# KiCad board apple-color-monitor-iie-a2m2056.kicad_pcb (continued)
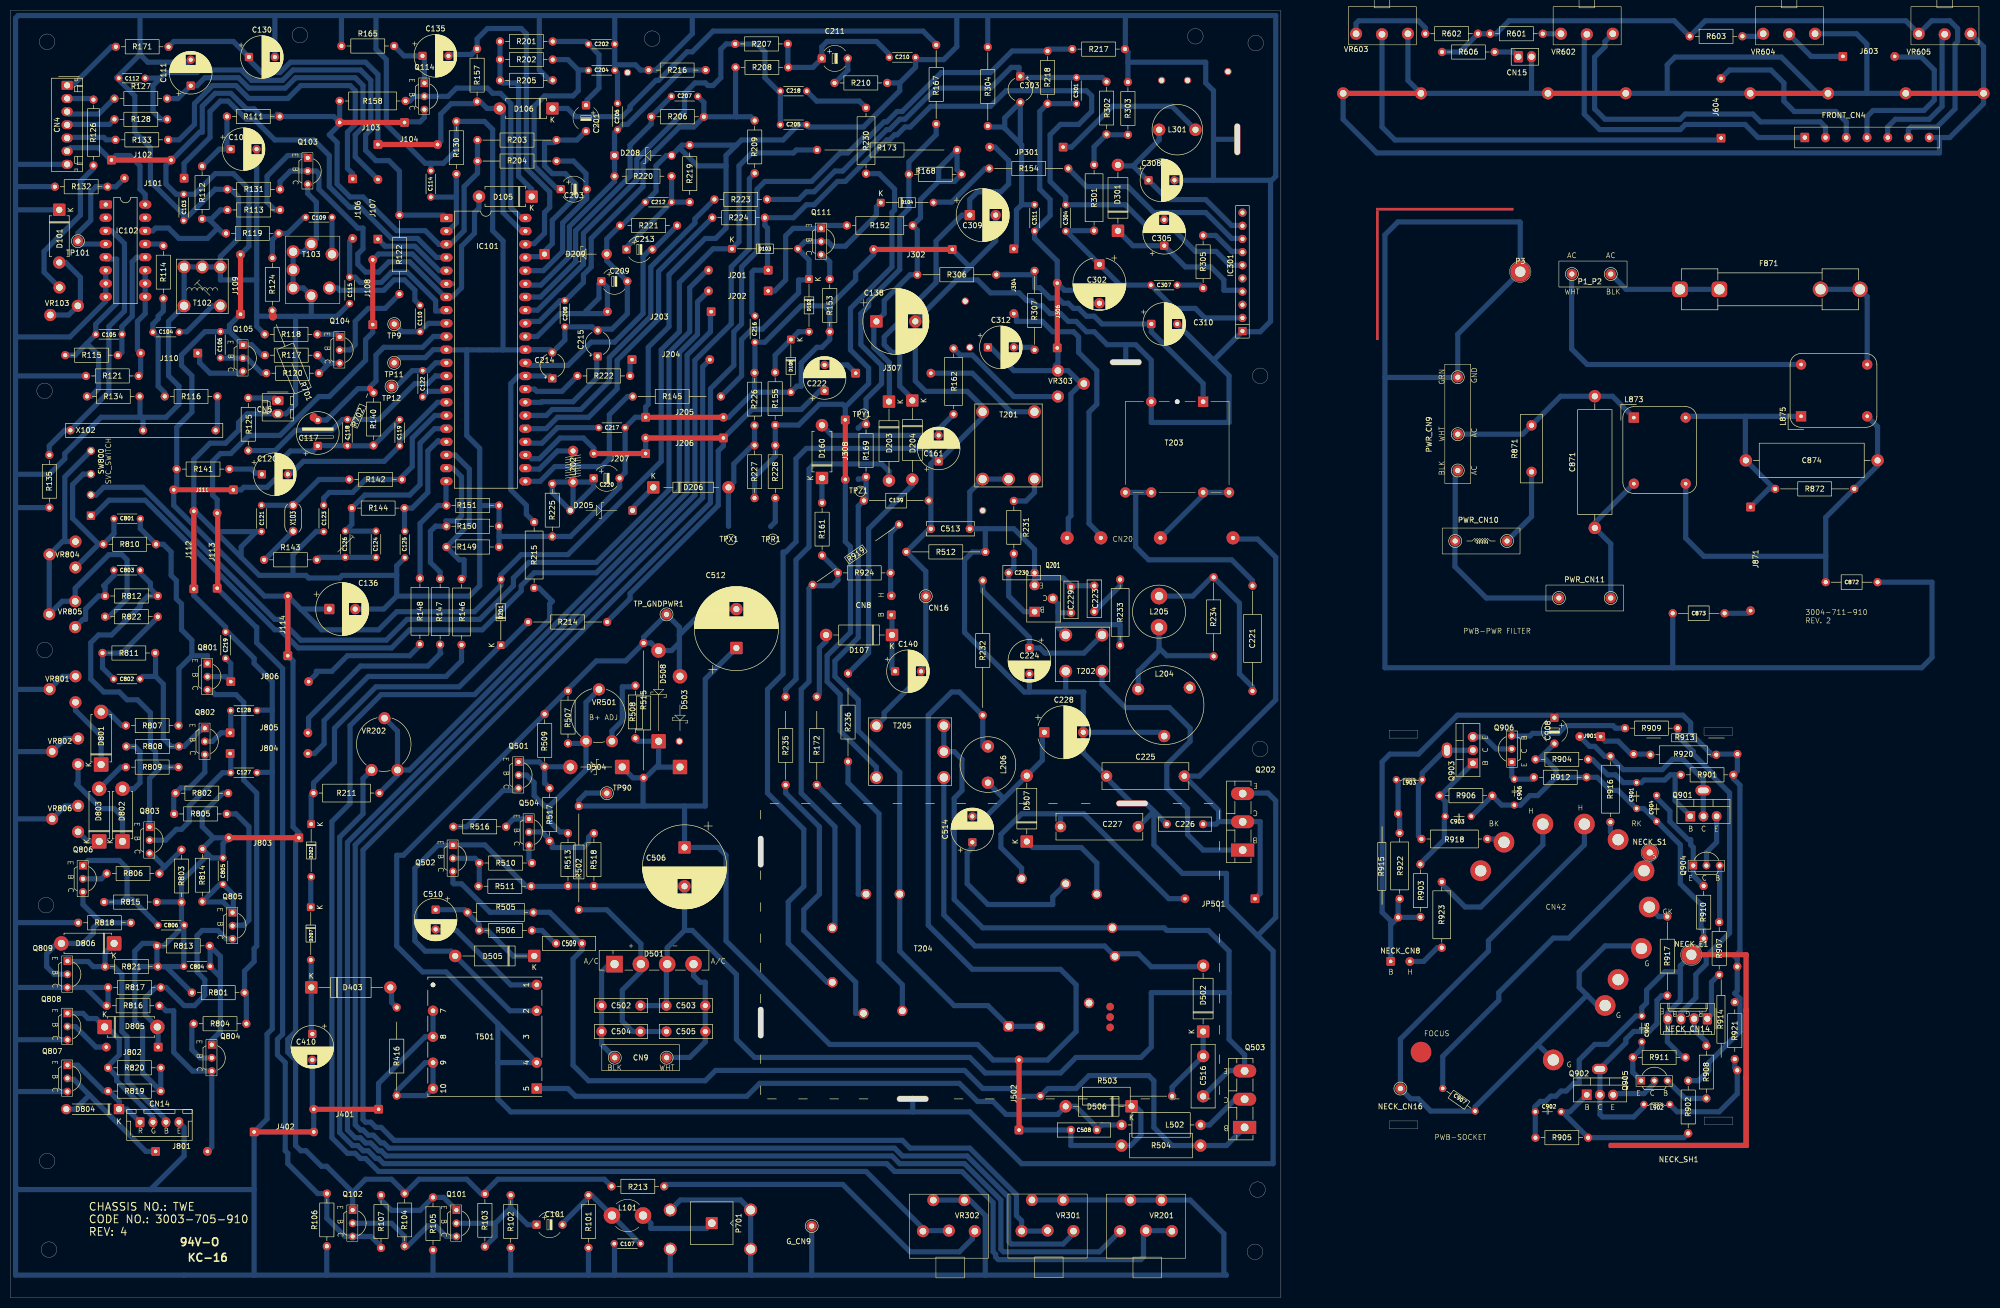
[diagram p0: board, top side]
## Placement (name value [footprint] x y rotation side) (continued)
R153  R  [R_Axial_DIN0207_L6.3mm_D2.5mm_P10.16mm_Horizontal]  158 186.34 90 top
R154  R  [R_Axial_DIN0207_L6.3mm_D2.5mm_P15.24mm_Horizontal]  204 217.84 180 top
R155  R  [R_Axial_DIN0207_L6.3mm_D2.5mm_P10.16mm_Horizontal]  147.48 178.5 270 top
R157  R  [R_Axial_DIN0207_L6.3mm_D2.5mm_P10.16mm_Horizontal]  90 230.76 90 top
R158  R  [R_Axial_DIN0309_L9.0mm_D3.2mm_P12.70mm_Horizontal]  76.2 230.87 180 top
R161  R  [R_Axial_DIN0207_L6.3mm_D2.5mm_P10.16mm_Horizontal]  156.52 153.34 270 top
R162  R  [R_Axial_DIN0309_L9.0mm_D3.2mm_P12.70mm_Horizontal]  181.88 170.42 90 top
R165  R  [R_Axial_DIN0207_L6.3mm_D2.5mm_P10.16mm_Horizontal]  63.84 241.47 0 top
R167  R  [R_Axial_DIN0207_L6.3mm_D2.5mm_P15.24mm_Horizontal]  178.52 226.42 90 top
R168  R  [R_Axial_DIN0207_L6.3mm_D2.5mm_P10.16mm_Horizontal]  183.43 216.72 180 top
R169  R  [R_Axial_DIN0207_L6.3mm_D2.5mm_P10.16mm_Horizontal]  165 168.5 270 top
R171  R  [R_Axial_DIN0207_L6.3mm_D2.5mm_P10.16mm_Horizontal]  30.5 241.32 180 top
R172  1Ω ½W  [_R_Axial_P17.0mm]  155.5 98.92 90 top
R173  22Ω 3W  [_R_Axial_P27.0mm#2]  155.55 221.41 0 top
R201  R  [R_Axial_DIN0207_L6.3mm_D2.5mm_P10.16mm_Horizontal]  104.58 242.34 180 top
R202  R  [R_Axial_DIN0207_L6.3mm_D2.5mm_P10.16mm_Horizontal]  104.58 238.84 180 top
R203  R  [R_Axial_DIN0207_L6.3mm_D2.5mm_P15.24mm_Horizontal]  90.08 223.32 0 top
R204  R  [R_Axial_DIN0207_L6.3mm_D2.5mm_P15.24mm_Horizontal]  90.08 219.27 0 top
R205  R  [R_Axial_DIN0207_L6.3mm_D2.5mm_P10.16mm_Horizontal]  104.58 234.84 180 top
R206  R  [R_Axial_DIN0207_L6.3mm_D2.5mm_P10.16mm_Horizontal]  123.58 227.82 0 top
R207  R  [R_Axial_DIN0207_L6.3mm_D2.5mm_P10.16mm_Horizontal]  149.93 241.87 180 top
R208  R  [R_Axial_DIN0207_L6.3mm_D2.5mm_P10.16mm_Horizontal]  150 237.34 180 top
R209  R  [R_Axial_DIN0207_L6.3mm_D2.5mm_P10.16mm_Horizontal]  143.52 216.92 90 top
R210  R  [R_Axial_DIN0207_L6.3mm_D2.5mm_P10.16mm_Horizontal]  158.92 234.34 0 top
R211  R  [R_Axial_DIN0309_L9.0mm_D3.2mm_P12.70mm_Horizontal]  71.16 97.34 180 top
R213  R  [R_Axial_DIN0207_L6.3mm_D2.5mm_P10.16mm_Horizontal]  115.92 21.47 0 top
R214  R  [R_Axial_DIN0207_L6.3mm_D2.5mm_P15.24mm_Horizontal]  115.08 130.34 180 top
R215  R  [R_Axial_DIN0309_L9.0mm_D3.2mm_P12.70mm_Horizontal]  101 136.92 90 top
R216  R  [R_Axial_P11.0mm]  123.08 236.82 0 top
R217  R  [R_Axial_DIN0207_L6.3mm_D2.5mm_P10.16mm_Horizontal]  214.93 240.87 180 top
R218  R  [R_Axial_DIN0207_L6.3mm_D2.5mm_P10.16mm_Horizontal]  200 240.5 270 top
R219  R  [R_Axial_P11.0mm]  131 222.34 270 top
R220  R  [R_Axial_P11.0mm]  116.5 216.34 0 top
R221  R  [R_Axial_P11.0mm]  117.58 206.82 0 top
R222  R  [R_Axial_DIN0207_L6.3mm_D2.5mm_P10.16mm_Horizontal]  119.5 177.82 180 top
R223  R  [R_Axial_DIN0207_L6.3mm_D2.5mm_P10.16mm_Horizontal]  145.93 211.87 180 top
R224  R  [R_Axial_DIN0207_L6.3mm_D2.5mm_P10.16mm_Horizontal]  145.5 208.34 180 top
R225  R  [R_Axial_DIN0207_L6.3mm_D2.5mm_P10.16mm_Horizontal]  104.5 157 270 top
R226  R  [R_Axial_DIN0207_L6.3mm_D2.5mm_P10.16mm_Horizontal]  143.5 168.26 90 top
R227  R  [R_Axial_DIN0207_L6.3mm_D2.5mm_P10.16mm_Horizontal]  143.5 154.26 90 top
R228  10kΩ 5%  [R_Axial_DIN0207_L6.3mm_D2.5mm_P10.16mm_Horizontal]  147.5 164.42 270 top
R230  R  [R_Axial_DIN0309_L9.0mm_D3.2mm_P12.70mm_Horizontal]  165 229.54 270 top
R231  R  [R_Axial_DIN0207_L6.3mm_D2.5mm_P10.16mm_Horizontal]  193.5 153.69 270 top
R232  2.2kΩ 3W  [_R_Axial_P27.0mm]  187.5 138.33 270 top
R233  R  [R_Axial_DIN0309_L9.0mm_D3.2mm_P12.70mm_Horizontal]  214 125.84 90 top
R234  R  [R_Axial_DIN0207_L6.3mm_D2.5mm_P15.24mm_Horizontal]  232.02 123.72 90 top
R235  1Ω ½W  [_R_Axial_P17.0mm]  149.5 98.92 90 top
R236  1Ω ½W  [_R_Axial_P17.0mm]  161.52 103.42 90 top
R301  R  [R_Axial_DIN0309_L9.0mm_D3.2mm_P12.70mm_Horizontal]  208.98 218.54 270 top
R302  R  [R_Axial_DIN0207_L6.3mm_D2.5mm_P10.16mm_Horizontal]  211.38 224.42 90 top
R303  R  [R_Axial_DIN0207_L6.3mm_D2.5mm_P10.16mm_Horizontal]  215.5 234.5 270 top
R304  R  [R_Axial_DIN0207_L6.3mm_D2.5mm_P15.24mm_Horizontal]  188.48 241.27 270 top
R305  R  [R_Axial_DIN0207_L6.3mm_D2.5mm_P10.16mm_Horizontal]  230 204.92 270 top
R306  R  [R_Axial_DIN0207_L6.3mm_D2.5mm_P15.24mm_Horizontal]  190.12 197.34 180 top
R307  R  [R_Axial_DIN0207_L6.3mm_D2.5mm_P15.24mm_Horizontal]  197.5 182.84 90 top
R416  1Ω ½W  [_R_Axial_P17.0mm]  74.5 38.98 90 top
R502  3.3Ω 7W  [_R_Axial_P20.0mm]  109.61 94.83 270 top
R503  1W  [R_Axial_DIN0309_L9.0mm_D3.2mm_P25.40mm_Horizontal]  198.62 38.87 0 top
R504  R  [R_Axial_DIN0414_L11.9mm_D4.5mm_P15.24mm_Horizontal]  229.5 29.34 180 top
R505  R  [R_Axial_DIN0309_L9.0mm_D3.2mm_P12.70mm_Horizontal]  88.15 74.32 0 top
R506  R  [R_Axial_DIN0207_L6.3mm_D2.5mm_P10.16mm_Horizontal]  100.58 70.84 180 top
R507  51kΩ  [R_Axial_DIN0207_L6.3mm_D2.5mm_P10.16mm_Horizontal]  107.53 106.92 90 top
R508  4.7kΩ 1%  [R_Axial_DIN0207_L6.3mm_D2.5mm_P10.16mm_Horizontal]  120.52 107.92 90 top
R509  R  [R_Axial_DIN0207_L6.3mm_D2.5mm_P10.16mm_Horizontal]  103.03 102.42 90 top
R510  R  [R_Axial_DIN0207_L6.3mm_D2.5mm_P10.16mm_Horizontal]  100.58 83.84 180 top
R511  R  [R_Axial_DIN0207_L6.3mm_D2.5mm_P10.16mm_Horizontal]  100.42 79.37 180 top
R512  3.3MΩ 10%  [R_Axial_DIN0207_L6.3mm_D2.5mm_P15.24mm_Horizontal]  188 143.87 180 top
R513  10MΩ  [R_Axial_DIN0207_L6.3mm_D2.5mm_P10.16mm_Horizontal]  107.53 79.42 90 top
R515  8.2kΩ 3W  [_R_Axial_P27.0mm]  122.11 126.29 270 top
R516  R  [R_Axial_DIN0207_L6.3mm_D2.5mm_P10.16mm_Horizontal]  85.42 90.84 0 top
R517  R  [R_Axial_DIN0207_L6.3mm_D2.5mm_P10.16mm_Horizontal]  103.97 98.27 270 top
R518  R  [R_Axial_DIN0207_L6.3mm_D2.5mm_P10.16mm_Horizontal]  112.52 79.42 90 top
R601  R  [R_Axial_DIN0207_L6.3mm_D2.5mm_P10.16mm_Horizontal]  295.49 243.83 180 top
R602  R  [R_Axial_DIN0207_L6.3mm_D2.5mm_P10.16mm_Horizontal]  282.99 243.83 180 top
R603  R  [R_Axial_DIN0207_L6.3mm_D2.5mm_P10.16mm_Horizontal]  333.99 243.33 180 top
R606  R  [R_Axial_DIN0207_L6.3mm_D2.5mm_P10.16mm_Horizontal]  276.07 240.31 0 top
R701  12kΩ  [R_Axial_DIN0309_L9.0mm_D3.2mm_P20.32mm_Horizontal#3]  58.5 169.84 112 top
R702  1.8kΩ  [R_Axial_DIN0309_L9.0mm_D3.2mm_P20.32mm_Horizontal#2]  69.34 175.36 247 top
R801  R  [R_Axial_DIN0207_L6.3mm_D2.5mm_P10.16mm_Horizontal]  35 58.84 0 top
R802  R  [R_Axial_DIN0207_L6.3mm_D2.5mm_P10.16mm_Horizontal]  42 97.32 180 top
R803  R  [R_Axial_DIN0207_L6.3mm_D2.5mm_P10.16mm_Horizontal]  33 86.42 270 top
R804  R  [R_Axial_DIN0207_L6.3mm_D2.5mm_P10.16mm_Horizontal]  35.34 52.84 0 top
R805  R  [R_Axial_DIN0207_L6.3mm_D2.5mm_P10.16mm_Horizontal]  31.58 93.32 0 top
R806  R  [R_Axial_DIN0207_L6.3mm_D2.5mm_P10.16mm_Horizontal]  18.58 81.82 0 top
R807  R  [R_Axial_DIN0207_L6.3mm_D2.5mm_P10.16mm_Horizontal]  32.42 110.37 180 top
R808  R  [R_Axial_DIN0207_L6.3mm_D2.5mm_P10.16mm_Horizontal]  32.5 106.34 180 top
R809  R  [R_Axial_DIN0207_L6.3mm_D2.5mm_P10.16mm_Horizontal]  32.42 102.34 180 top
R810  R  [R_Axial_DIN0207_L6.3mm_D2.5mm_P10.16mm_Horizontal]  17.92 145.34 0 top
R811  R  [R_Axial_DIN0207_L6.3mm_D2.5mm_P10.16mm_Horizontal]  27.92 124.37 180 top
R812  R  [R_Axial_DIN0207_L6.3mm_D2.5mm_P10.16mm_Horizontal]  28.42 135.37 180 top
R813  R  [R_Axial_DIN0207_L6.3mm_D2.5mm_P10.16mm_Horizontal]  38.42 67.87 180 top
R814  R  [R_Axial_DIN0207_L6.3mm_D2.5mm_P10.16mm_Horizontal]  37.02 76.42 90 top
R815  R  [R_Axial_DIN0207_L6.3mm_D2.5mm_P10.16mm_Horizontal]  18.08 76.32 0 top
R816  R  [R_Axial_DIN0207_L6.3mm_D2.5mm_P10.16mm_Horizontal]  18.58 56.32 0 top
R817  R  [R_Axial_DIN0207_L6.3mm_D2.5mm_P10.16mm_Horizontal]  18.84 59.84 0 top
R818  R  [R_Axial_DIN0207_L6.3mm_D2.5mm_P10.16mm_Horizontal]  13.07 72.32 0 top
R819  R  [R_Axial_DIN0207_L6.3mm_D2.5mm_P10.16mm_Horizontal]  29 39.84 180 top
R820  R  [R_Axial_DIN0207_L6.3mm_D2.5mm_P10.16mm_Horizontal]  29 44.34 180 top
R821  R  [R_Axial_DIN0207_L6.3mm_D2.5mm_P10.16mm_Horizontal]  28.42 63.87 180 top
R822  R  [R_Axial_DIN0207_L6.3mm_D2.5mm_P10.16mm_Horizontal]  28.42 131.37 180 top
R871  Thermistor_PTC  [R_Box_L13.0mm_W4.0mm_P9.00mm]  293.33 159.3 90 top
R872  330kΩ  [R_Axial_DIN0207_L6.3mm_D2.5mm_P15.24mm_Horizontal]  355.56 156.02 180 top
R901  R  [R_Axial_DIN0207_L6.3mm_D2.5mm_P10.16mm_Horizontal]  322.09 100.86 0 top
R902  R  [R_Axial_DIN0207_L6.3mm_D2.5mm_P10.16mm_Horizontal]  323.54 41.86 270 top
R903  R  [R_Axial_DIN0207_L6.3mm_D2.5mm_P10.16mm_Horizontal]  271.89 73.43 90 top
R904  R  [R_Axial_DIN0207_L6.3mm_D2.5mm_P10.16mm_Horizontal]  294.09 103.83 0 top
R905  R  [R_Axial_DIN0207_L6.3mm_D2.5mm_P10.16mm_Horizontal]  294.09 30.86 0 top
R906  R  [R_Axial_DIN0207_L6.3mm_D2.5mm_P10.16mm_Horizontal]  275.59 96.83 0 top
R907  R  [R_Axial_DIN0207_L6.3mm_D2.5mm_P10.16mm_Horizontal]  329.52 62.28 90 top
R908  R  [R_Axial_DIN0207_L6.3mm_D2.5mm_P10.16mm_Horizontal]  327.04 38.43 90 top
R909  R  [R_Axial_DIN0207_L6.3mm_D2.5mm_P10.16mm_Horizontal]  321.52 109.86 180 top
R910  R  [R_Axial_DIN0207_L6.3mm_D2.5mm_P10.16mm_Horizontal]  326.52 69.28 90 top
R911  R  [R_Axial_DIN0207_L6.3mm_D2.5mm_P10.16mm_Horizontal]  323.02 46.33 180 top
R912  R  [R_Axial_DIN0207_L6.3mm_D2.5mm_P10.16mm_Horizontal]  303.94 100.38 180 top
R913  R  [R_Axial_side_shift_P20.32mm]  333.02 104.86 180 top
R914  R  [R_Axial_side_shift_P20.32mm]  333 63.86 270 top
R915  R  [R_Axial_side_shift_P20.32mm]  267.61 93.36 270 top
R916  R  [R_Axial_DIN0309_L9.0mm_D3.2mm_P12.70mm_Horizontal]  308.54 104.44 270 top
R917  R  [R_Axial_DIN0207_L6.3mm_D2.5mm_P15.24mm_Horizontal]  319.51 73.51 270 top
R918  R  [R_Axial_DIN0309_L9.0mm_D3.2mm_P12.70mm_Horizontal]  272.09 88.48 0 top
R919  1.8Ω 2W  [R_Axial_DIN0309_L9.0mm_D3.2mm_P20.32mm_Horizontal]  154.72 137.51 35 top
R920  R  [R_Axial_DIN0309_L9.0mm_D3.2mm_P12.70mm_Horizontal]  328.94 104.73 180 top
R921  R  [R_Axial_P11.0mm]  332.52 46.01 90 top
R922  R  [R_Axial_DIN0309_L9.0mm_D3.2mm_P12.70mm_Horizontal]  267.89 76.93 90 top
R923  R  [R_Axial_DIN0309_L9.0mm_D3.2mm_P12.70mm_Horizontal]  276.02 67.51 90 top
R924  R  [R_Axial_DIN0207_L6.3mm_D2.5mm_P10.16mm_Horizontal]  159.57 139.82 0 top
REF**  -  [-MountingHole_3mm]  55.82 243.57 0 top
REF**#2  -  [-MountingHole_1mm]  222 234.84 0 top
REF**#3  -  [-MountingHole_3mm]  241 105.84 0 top
REF**#4  -  [-MountingHole_3mm]  7.09 242.28 0 top
REF**#5  -  [-MountingHole_1mm]  185 183.34 0 top
REF**#6  -  [-MountingHole_5.5mm_1.5mm]  268.87 107.96 0 top
REF**#7  -  [-MountingHole_1mm]  129 107.34 0 top
REF**#8  -  [-MountingHole_3mm]  7.09 26.35 0 top
REF**#9  -  [-MountingHole_3mm]  123.76 242.88 0 top
REF**#10  -  [-MountingHole_1mm]  227 234.84 0 top
REF**#11  -  [-MountingHole_5.5mm_1.5mm]  329.59 108.49 0 top
REF**#12  -  [-MountingHole_3mm]  240.14 242.02 0 top
REF**#13  -  [-MountingHole_3mm]  240.5 20.84 0 top
REF**#14  -  [-MountingHole_3mm]  6.6 174.93 0 top
REF**#15  -  [-MountingHole_3mm]  6.62 124.94 0 top
REF**#16  -  [-MountingHole_5.5mm_1.5mm]  268.9 32.59 0 top
REF**#17  -  [-MountingHole_3mm]  228.5 243.34 0 top
REF**#18  -  [-MountingHole_1mm]  184.13 192.24 0 top
REF**#19  -  [-MountingHole_3mm]  241 177.84 0 top
REF**#20  -  [-MountingHole_5.5mm_1.5mm]  329.63 33.34 0 top
REF**#21  -  [-MountingHole_1mm]  119 236.34 0 top
REF**#22  -  [-MountingHole_3mm]  240 8.84 0 top
REF**#23  -  [-MountingHole_3mm]  7.44 9.26 0 top
REF**#24  -  [-MountingHole_3mm]  6.86 75.71 0 top
REF**#25  -  [-MountingHole_1mm]  187.5 151.84 0 top
REF**#26  -  [-MountingHole_1mm]  234.79 236.53 0 top
SH1  RFShield_OnePiece  [Laird_Technologies_BMI-S-103_26.21x26.21mm#3]  144.19 37.84 0 top
SH2  RFShield_OnePiece  [Laird_Technologies_BMI-S-103_26.21x26.21mm#2]  276.84 197.24 0 top
SW800  SVC_SW  [_SVC_SWITCH_1P3T]  15.52 150.87 90 top
T102  Transformer_1P_1S  [_Transformer_Isolation_10x12mm#2]  33.5 191.34 0 top
T103  Transformer_1P_1S  [_Transformer_Isolation_10x12mm#3]  54.53 194.78 0 top
T201  Transformer_1P_1S  [_Transformer_Isolation_10x12mm]  197.48 170.9 180 top
T202  Transformer_1P_1S  [_Transformer_Isolation_7x7mm]  210.5 127.84 180 top
T203  Transformer_SP_2S  [Transformer_Breve_TEZ-22x24]  236 173.84 180 top
T204  Fkyback  [_my_flyback]  190 50.84 0 top
T205  Transformer_1P_1S  [_Transformer_Isolation_10x12mm]  167 110.34 270 top
T501  Transformer_4_5_Unknwon  [Transformer_Breve_TEZ-28x33]  101.5 40.34 90 top
TP9  Conn_01x01_Pin  [Pin_D1.0mm_L10.0mm]  74.03 187.82 0 top
TP11  Conn_01x01_Pin  [Pin_D1.0mm_L10.0mm]  74 180.34 0 top
TP12  Conn_01x01_Pin  [Pin_D1.0mm_L10.0mm]  73.5 175.77 0 top
TP90  Conn_01x01_Pin  [Pin_D1.0mm_L10.0mm]  115.02 97.32 0 top
TP101  Conn_01x01_Pin  [Pin_D1.0mm_L10.0mm]  13.02 203.82 0 top
TP_GNDPWR1  Conn_01x01_Pin  [Pin_D1.0mm_L10.0mm#3]  126.52 131.82 0 top
TPR1  -  [-testpoint]  146.63 148.78 0 top
TPX1  -  [-testpoint]  138.5 148.84 0 top
TPY1  -  [-testpoint]  163.5 167.84 180 top
TPZ1  -  [-testpoint]  163.5 157.84 0 top
VR103  SUB-BRIGHTNESS  [_Potentiometer_5x5mm]  9.46 194.88 225 top
VR201  H.HOLD  [_Pot_rear]  223.98 12.82 270 top
VR202  SUB H.HOLD  [Potentiometer_Piher_PT-10-V10_Vertical]  74.65 101.79 90 top
VR301  V.SIZE  [_Pot_rear]  205 12.84 270 top
VR302  V.HOLD  [_Pot_rear]  185.98 12.82 270 top
VR303  V.CENTER  [_Potentiometer_5x5mm]  202 173.84 0 top
VR501  B+ ADJ  [Potentiometer_Piher_PT-10-V10_Vertical]  116 107.34 90 top
VR602  BRIGHTNESS  [_Pot_front]  298.99 243.83 90 top
VR603  CONTRAST  [_Pot_front]  259.49 243.83 90 top
VR604  COLOR  [_Pot_front]  337.99 243.83 90 top
VR605  TINT  [_Pot_front]  367.99 243.83 90 top
VR801  R-BIAS  [_Potentiometer_5x5mm]  12.55 119.87 180 top
VR802  G-BIAS  [_Potentiometer_5x5mm]  13.05 107.87 180 top
VR804  R-DRIVER  [_Potentiometer_5x5mm]  12.55 145.87 180 top
VR805  B-DRIVER  [_Potentiometer_5x5mm]  12.5 134.34 180 top
VR806  B-BIAS  [_Potentiometer_5x5mm]  13.05 94.87 180 top
X102  DL401F5  [_DelayLine_3_pin_P14mm]  11.57 167.32 0 top
X103  Crystal  [Resonator-2Pin_W6.0mm_H3.0mm]  54.53 147.87 90 top

## Library data of the parts
C101 C102 C111 C117 C120 C130 C135 C136 C201 C203 C209 C211 C213 C220 C222 C224 C228 C302 C305 C309 C310 C410 C506 C510 C512 C514 C908 = -: KiLib_Generator: capacitor/THT/other; ki_fp_filters: CP_*
C103-C107 C109 C110 C112 C114 C115 C118 C119 C121-C125 C127 C128 C202 C204-C208 C210 C212 C216-C219 C221 C301 C304 C307 C311 C801-C806 C901-C907 = -: Description: Unpolarized capacitor, small symbol; KiLib_Generator: resistor/THT; ki_fp_filters: C_*
C126 = -: Description: Trimmable capacitor, small symbol; KiLib_Generator: resistor/THT; ki_fp_filters: C_*
C138 C140 C161 C308 C312 = -: Description: Polarized capacitor; KiLib_Generator: capacitor/THT/other; ki_fp_filters: CP_*
C139 C872 C873 = -: Description: Unpolarized capacitor; KiLib_Generator: capacitor/THT/other; ki_fp_filters: C_*
C214 C215 C303 = -: Description: Polarized capacitor, small US symbol; KiLib_Generator: capacitor/THT/other; ki_fp_filters: CP_*
C223 C225-C227 C229 C230 C502-C505 C508 C509 C513 C516 = -: Description: Unpolarized capacitor, small symbol; KiLib_Generator: capacitor/THT/other; ki_fp_filters: C_*
C871 C874 = -: Description: Unpolarized capacitor; KiLib_Generator: resistor/THT; ki_fp_filters: C_*
CN4 FRONT_CN4 = -: Description: Generic connector, single row, 01x07, script generated; KiLib_Generator: connector/Molex; ki_fp_filters: Connector*:*_1x??_*
CN5 CN15 = -: Description: Generic connector, single row, 01x02, script generated; KiLib_Generator: connector/Molex; ki_fp_filters: Connector*:*_1x??_*
CN8 NECK_CN8 P1_P2 PWR_CN10 PWR_CN11 = -: Description: Generic connector, single row, 01x02, script generated; KiLib_Generator: connector/wire; ki_fp_filters: Connector*:*_1x??_*
CN9 PWR_CN9 = -: Description: Generic connector, single row, 01x03, script generated; KiLib_Generator: connector/wire; ki_fp_filters: Connector*:*_1x??_*
CN14 = -: Description: Generic connector, single row, 01x04, script generated; KiLib_Generator: connector/JST; ki_fp_filters: Connector*:*_1x??_*
CN16 G_CN9 NECK_CN16 TP9 TP11 TP12 TP90 TP101 TP_GNDPWR1 = -: Description: Generic connector, single row, 01x01, script generated; ki_fp_filters: Connector*:*_1x??_*
CN20 = -: Description: Generic connector, single row, 01x06, script generated; ki_fp_filters: Connector*:*_1x??_*
D101-D108 D160 D201-D204 D206 D207 D301 D403 D502 D505-D507 D801-D806 = -: Description: Diode; KiLib_Generator: diode/THT; Sim.Pins: 1=K 2=A; ki_fp_filters: TO-???* *_Diode_* *SingleDiode* D_*
D205 D208 D209 D504 = -: Description: Zener diode; KiLib_Generator: diode/THT; ki_fp_filters: TO-???* *_Diode_* *SingleDiode* D_*
D501 = -: Description: Bridge Rectifier; ki_fp_filters: D*Bridge*32.0x5.6x17.0mm*P10.0mm*P7.5mm*
D503 D508 = -: Description: Schottky diode; KiLib_Generator: diode/THT; ki_fp_filters: TO-???* *_Diode_* *SingleDiode* D_*
F871 = -: Description: Fuse; ki_fp_filters: *Fuse*
IC101 = -: Datasheet: https://datasheet.datasheetarchive.com/originals/distributors/Datasheets-X/DSA828000259.pdf; KiLib_Generator: package/DIP/legacy
IC102 = -: Datasheet: http://www.ti.com/lit/ds/symlink/cd4052b.pdf; Description: CMOS triple 2-channel analog multiplexer/demultiplexer, TSSOP-16/DIP-16/SOIC-16; KiLib_Generator: package/DIP/legacy; ki_fp_filters: TSSOP*4.4x5mm*P0.65mm* DIP*W7.62* SOIC*3.9x9.9mm*P1.27mm* SO*5.3x10.2mm*P1.27mm*
IC301 = -: Datasheet: https://www.alldatasheet.com/datasheet-pdf/view/37125/SAMSUNG/KA2131.html; KiLib_Generator: resistor/array_SIP_THT
J101-J104 J106-J114 J201-J207 J302 J304 J306-J308 J401 J402 J502 J603 J604 J801-J806 J871 J901 JP301 JP501 = -: Description: Jumper, 2-pole, closed/bridged; KiLib_Generator: connector/wire; ki_fp_filters: Jumper* TestPoint*2Pads* TestPoint*Bridge*
L101 L202 L205 L206 L301 = -: Description: Inductor; KiLib_Generator: choke_THT; ki_fp_filters: Choke_* *Coil* Inductor_* L_*
L204 = -: Description: Variable inductor; KiLib_Generator: potentiometer/THT; ki_fp_filters: Inductor_* L_*
L502 = -: Description: Inductor, small symbol; KiLib_Generator: choke_THT; ki_fp_filters: Choke_* *Coil* Inductor_* L_*
L873 L875 = -: Description: Coupled inductor; KiLib_Generator: inductor/THT; ki_fp_filters: Choke_* *Coil* Inductor_* L_*
L902 L903 = -: Description: Inductor; KiLib_Generator: resistor/THT; ki_fp_filters: Choke_* *Coil* Inductor_* L_*
NECK_CN14 = -: Description: Generic connector, single row, 01x04, script generated; KiLib_Generator: connector/Molex; ki_fp_filters: Connector*:*_1x??_*
NECK_E1 NECK_S1 P3 = -: Description: Generic connector, single row, 01x01, script generated; KiLib_Generator: connector/wire; ki_fp_filters: Connector*:*_1x??_*
NECK_SH1 SH1 SH2 = -: Description: One-piece EMI RF shielding cabinet; KiLib_Generator: shielding
P701 = -: Description: coaxial connector (BNC, SMA, SMB, SMC, Cinch/RCA, LEMO, ...); ki_fp_filters: *BNC* *SMA* *SMB* *SMC* *Cinch* *LEMO* *UMRF* *MCX* *U.FL*
Q101 Q104 Q111 Q114 Q502 Q801-Q803 = -: Datasheet: https://ngspice.sourceforge.io/docs/ngspice-html-manual/manual.xhtml#cha_BJTs; Description: NPN transistor, emitter/base/collector; Sim.Device: NPN; Sim.Type: GUMMELPOON; Sim.Pins: 1=E 2=B 3=C
Q102 Q103 Q105 Q804-Q809 = -: Datasheet: https://www.alldatasheet.com/datasheet-pdf/view/550178/KISEMICONDUCTOR/A733.html; Description: Bipolar transistor symbol for simulation only, substrate tied to the emitter; Sim.Device: PNP; Sim.Type: GUMMELPOON; Sim.Pins: 1=E 2=B 3=C
Q201 Q503 = -: Datasheet: https://ngspice.sourceforge.io/docs/ngspice-html-manual/manual.xhtml#cha_BJTs; Description: NPN transistor, base/collector/emitter; KiLib_Generator: package/TO_SOT/THT; Sim.Device: NPN; Sim.Type: GUMMELPOON; Sim.Pins: 1=B 2=C 3=E
Q202 = -: Description: NPN transistor, base/collector/emitter; KiLib_Generator: package/TO_SOT/THT; Sim.Device: NPN; Sim.Type: GUMMELPOON; Sim.Pins: 1=B 2=C 3=E
Q501 Q504 = -: Datasheet: https://ngspice.sourceforge.io/docs/ngspice-html-manual/manual.xhtml#cha_BJTs; Description: Bipolar transistor symbol for simulation only, substrate tied to the emitter; Sim.Device: PNP; Sim.Type: GUMMELPOON; Sim.Pins: 1=C 2=B 3=E
Q901-Q903 = -: Description: NPN transistor, base/collector/emitter; KiLib_Generator: package/TO_SOT/THT; Sim.Device: NPN; Sim.Pins: 1=B 2=C 3=E
Q904-Q906 = -: Description: NPN transistor, emitter/collector/base; Sim.Device: NPN; Sim.Type: GUMMELPOON; Sim.Pins: 1=E 2=C 3=B
R101-R107 R111-R122 R124-R128 R130-R135 R140-R155 R157 R158 R161 R162 R165 R167-R169 R171-R173 R201-R211 R213-R228 R230-R236 R301-R307 R416 R502-R513 R515-R518 R601-R603 R606 R701 R702 R801-R822 R872 R901-R924 = -: Description: Resistor; KiLib_Generator: resistor/THT; ki_fp_filters: R_*
R871 = -: Description: Temperature dependent resistor, positive temperature coefficient; KiLib_Generator: resistor/THT; ki_fp_filters: R_* RV_*
REF** REF**#2-REF**#26 = -: KiLib_Generator: mounting_hardware/mounting_hole
SW800 = -: Description: Switch, three position, single pole triple throw, 3 position switch, SP3T; KiLib_Generator: diode/THT; ki_fp_filters: SW* SP3T*
T102 T103 T201 T202 T205 = -: Description: Transformer, single primary, single secondary
T203 = -: Description: Transformer, split primary, dual secondary
T204 = -: Description: Flyback; ki_fp_filters: Transformer*Wuerth*760871131*
T501 = -: Description: Transformer, Unknown windings
TPR1 TPX1 TPY1 TPZ1 = -: Description: Testpoint connector; ki_fp_filters: Connector*:*_1x??_*
VR103 VR202 VR303 VR501 VR801 VR802 VR804-VR806 = -: Description: Trim-potentiometer; KiLib_Generator: potentiometer/THT; Sim.Device: R; Sim.Type: POT; Sim.Pins: 1=r0 2=wiper 3=r1; ki_fp_filters: Potentiometer*
VR201 VR301 VR302 VR602-VR605 = -: Description: Potentiometer; KiLib_Generator: potentiometer/THT; Sim.Device: R; Sim.Type: POT; Sim.Pins: 1=r0 2=wiper 3=r1; ki_fp_filters: Potentiometer*
X102 = -: Description: Delay line; KiLib_Generator: resistor/THT
X103 = -: Description: Two pin crystal; KiLib_Generator: crystal_resonator_oscillator; ki_fp_filters: Crystal*

## Footprints (pads in the part's own frame, mm; a bottom-side part is the same pattern mirrored in y, then rotated)
-Connector_01x02XP10.0mm
  round 2 hole 1: 1(0,0) 2(10,0)
-Connector_01x02XP10.0mm#2
  round 2 hole 1: 1(0,0) 2(7.5,0)
-Connector_01x03
  round 2 hole 1: 1(0,0) 2(7,0) 3(18,0)
-connector_front_controls_01x07
  rrect 1.7x1.85 hole 0.85: 1(0,0)
  oval 1.7x1.85 hole 0.85: 2(4,0) 3(8,0) 4(12,0) 5(16,0) 6(20,0) 7(24,0)
-crt-neck
  round 4 smd: 1(0,0)
  round 4 hole 2.2: 2(25.5,-1.5) 3(35.5,9) 4(38,14) 5(42.5,20) 6(44,28) 7(43,35) 8(38,41) 9(31.5,44) 10(23.5,44) 11(16,40.5) 12(11.5,35)
-MountingHole_1mm
  round 1.4 hole 1 unplated: (0,0)
-SolderWire
  round 3.8 hole 2: 1(0,0)
-SolderWire#2
  round 3 hole 1.2: 1(0,0)
-testpoint
  round 1 smd far side: TP(0,0)
-TO-220-3_Vertical-BCE_FIN
  rect 1.905x2 hole 1.1: 1(0,0)
  oval 3x2 hole 2.1x1.1: 2(2.5,5)
  oval 1.905x2 hole 1.1: 2(2.54,0) 3(5.08,0)
-Transistor_EBC-NPN
  rect 1.5x1.5 hole 0.8: 1(0,0)
  round 1.5 hole 0.8: 2(2.54,0) 3(5.08,0)
-Transistor_EBC-PNP
  rect 1.5x1.5 hole 0.8: 1(0,0)
  round 1.5 hole 0.8: 2(2.54,0) 3(5.08,0)
-Transistor_ECB-NPN
  rect 1.5x1.5 hole 0.8: 1(0,0)
  round 1.5 hole 0.8: 2(2.54,0) 3(5.08,0)
_C_Axial_P5.0mm
  round 1.4 hole 0.7: 1(0,0) 2(5,0)
_choke-pwr-board
  rect 2x2 hole 0.7: 1(0,0)
  round 2 hole 0.7: 2(10,0) 3(0,-12.75) 4(10,-12.75)
_CN20_pins
  round 2.54 hole 0.8: 1(0,0) 2(6.5,0) 4(18,0) 6(32,0)
_Conn_01x02
  round 2 hole 1: 1(0,0) 2(10,0)
_D_P14.5mm
  rrect 2.4x2.4 hole 1.2: 1(0,0)
  round 2.4 hole 1.2: 2(14.5,0)
_DelayLine_3_pin_P14mm
  round 1.6 hole 0.8: 1(0,0) 2(28,0) 3(14,0)
_DiodeBridge
  rect 3.2x3.2 hole 1.6: 1(0,0)
  round 3.2 hole 1.6: 2(5.08,0) 3(10.16,0) 4(15.24,0)
_Jumper_4mm
  rrect 1.7x1.7 hole 0.7: 1(0,0)
  round 1.7 hole 0.7: 2(4,0)
_Jumper_10mm
  rrect 1.7x1.7 hole 0.7: 1(0,0)
  round 1.7 hole 0.7: 2(10,0)
_Jumper_11mm
  rrect 1.7x1.7 hole 0.7: 1(0,0)
  round 1.7 hole 0.7: 2(11.5,0)
_Jumper_12mm
  rrect 1.7x1.7 hole 0.7: 1(0,0)
  round 1.7 hole 0.7: 2(12.5,0)
_Jumper_13mm
  rrect 1.7x1.7 hole 0.7: 1(0,0)
  round 1.7 hole 0.7: 2(14.5,0)
_Jumper_13mm#2
  rrect 1.7x1.7 hole 0.7: 1(0,0)
  round 1.7 hole 0.7: 2(11.5,0)
_Jumper_13mm#3
  rrect 1.7x1.7 hole 0.7: 1(0,0)
  round 1.7 hole 0.7: 2(13.5,0)
_Jumper_13mm#4
  rrect 1.7x1.7 hole 0.7: 1(0,0)
  round 1.7 hole 0.7: 2(11,0)
_Jumper_13mm#5
  rrect 1.7x1.7 hole 0.7: 1(0,0)
  round 1.7 hole 0.7: 2(14.15,0)
_Jumper_13mm#6
  rrect 1.7x1.7 hole 0.7: 1(0,0)
  round 1.7 hole 0.7: 2(12.5,0)
_Jumper_13mm#7
  rrect 1.7x1.7 hole 0.7: 1(0,0)
  round 1.7 hole 0.7: 2(15.15,0)
_Jumper_15mm
  rrect 1.7x1.7 hole 0.7: 1(0,0)
  round 1.7 hole 0.7: 2(15,0)
_Jumper_20mm
  rrect 1.7x1.7 hole 0.7: 1(0,0)
  round 1.7 hole 0.7: 2(20,0)
_L_Axial_P5.0mm
  round 1.4 hole 0.7: 1(0,0) 2(5,0)
_L_Horiz_P6mm
  round 2 hole 1: 1(0,0) 2(6,0)
_Molex_1x07_P2.54mm_Vertical
  rrect 1.74x2.19 hole 1.19: 1(15.24,0)
  oval 1.74x2.19 hole 1.19: 2(12.7,0) 3(10.16,0) 4(7.62,0) 5(5.08,0) 6(2.54,0) 7(0,0)
_my_flyback
  round 2 hole 1.32: (18,6) 2(8.5,1.5) 7(23,15) 7.5(22.5,20.5) 8(19.5,27) 9(13.5,29) 10(5,30) 11(-18.5,27) 12(-25,27) 13(-31.5,20.5) 14(-31.5,10) 15(-25.5,4) 16(-18,4.5)
  rrect 2x2 hole 1.32: 1(2.5,1.5)
  round 1.5 smd: 3(22.064,5.29) 5(22.064,3.29) 6(22.064,1.29)
_Pot_front
  round 2.34 hole 1.3: 1(0,0) 2(-0.11,-5) 3(0,-10) 4(-11.5,2.5) 4(-11.5,-12.5)
_Pot_rear
  round 2.34 hole 1.3: 1(0,0) 2(-0.11,-5) 3(0,-10) 4(-6,-2) 5(-6,-8)
_Potentiometer_5x5mm
  round 2.34 hole 1.3: 1(0,0) 2(5,2.5) 3(0,5)
_R_Axial_P17.0mm
  round 1.6 hole 0.8: 1(0,0) 2(17,0)
_R_Axial_P20.0mm
  round 1.6 hole 0.8: 1(0,0) 2(20,0)
_R_Axial_P27.0mm
  round 1.6 hole 0.8: 1(0,0) 2(26,0)
_R_Axial_P27.0mm#2
  round 1.6 hole 0.8: 1(0,0) 2(27,0)
_SchotkyDiode_P17.5mm
  rrect 2.8x2.8 hole 1.4: 1(0,0)
  round 2.8 hole 1.4: 2(17.5,0)
_SVC_SWITCH_1P3T
  rrect 1.6x1.6 hole 1: 1(0,0)
  round 1.6 hole 1: 2(4,0) 3(8,0) 4(12.5,0)
_TO-3P-3_Vertical_BCE
  rect 4.5x2.5 hole 1.5: 1(3.39,2.54)
  oval 4.5x2.5 hole 1.5: 2(3.39,7.99) 3(3.39,13.44)
_Transformer_Isolation_7x7mm
  round 2.5 hole 1.6: 1(0,0) 2(7,0) 3(7,7) 4(0,7)
_Transformer_Isolation_10x12mm
  round 2.5 hole 1.6: 1(0,0) 2(10,0) 3(10,13) 4(5,13) 5(0,13)
_Transformer_Isolation_10x12mm#2
  round 2.5 hole 1.6: 1(0,0) 2(7,0) 3(7,7.5) 4(3.5,7.5) 5(0,7.5)
_Transformer_Isolation_10x12mm#3
  round 2.5 hole 1.6: 1(7.5,6.5) 2(7,0) 3(3.5,-1.5) 4(0,0) 5(0,3.5) 6(0,7) 7(3.5,8.5)
_ZenerDiode_P10mm
  rrect 1.6x1.6 hole 1: 1(0,0)
  round 1.6 hole 1: 2(11,0)
_ZenerDiode_P10mm#2
  rrect 2x2 hole 1: 1(0,0)
  round 2 hole 1: 2(12,0)
_ZenerDiode_P10mm#4
  rrect 1.6x1.6 hole 1: 1(0,0)
  round 1.6 hole 1: 2(12,0)
_ZenerDiode_P10mm#3
  rrect 2.8x2.8 hole 1.4: 1(0,0)
  round 2.8 hole 1.4: 2(10,0)
C_Axial_L3.8mm_D2.6mm_P10.00mm_Horizontal
  round 1.6 hole 0.8: 1(0,0) 2(10,0)
C_Axial_L3.8mm_D2.6mm_P12.50mm_Horizontal
  round 1.6 hole 0.8: 1(0,0) 2(12.5,0)
C_Disc_D10.0mm_W2.5mm_P5.00mm
  round 1.6 hole 0.8: 1(-0.5,0) 2(6.5,0)
C_Disc_D10.0mm_W2.5mm_P5.00mm#2
  round 1.6 hole 0.8: 1(0,0) 2(5,0)
C_Disc_D12.0mm_W4.4mm_P7.75mm
  round 2.4 hole 1.2: 1(0,0) 2(7.75,0)
C_Rect_L7.0mm_W2.5mm_P5.00mm
  round 1.6 hole 0.8: 1(0,0) 2(5,0)
C_Rect_L9.0mm_W2.5mm_P7.50mm_MKT
  round 1.6 hole 0.8: 1(0,0) 2(7.5,0)
C_Rect_L10.0mm_W2.5mm_P7.50mm_MKS4
  round 2 hole 1: 1(0,0) 2(7.5,0)
C_Rect_L16.5mm_W4.9mm_P15.00mm_MKT
  round 2.2 hole 1.1: 1(0,0) 2(15,0)
CP_Radial_D5.0mm_P5.00mm
  rrect 1.6x1.6 hole 0.8: 1(0,0)
  round 1.6 hole 0.8: 2(5,0)
CP_Radial_D8.0mm_P3.80mm
  rrect 1.6x1.6 hole 0.8: 1(0,0)
  round 1.6 hole 0.8: 2(3.8,0)
CP_Radial_D8.0mm_P5.00mm
  rrect 1.6x1.6 hole 0.8: 1(0,0)
  round 1.6 hole 0.8: 2(5,0)
CP_Radial_D10.0mm_P5.00mm
  rrect 2x2 hole 1: 1(0,0)
  round 2 hole 1: 2(5,0)
CP_Radial_D10.0mm_P7.50mm
  rrect 2x2 hole 1: 1(0,0)
  round 2 hole 1: 2(7.5,0)
CP_Radial_D12.5mm_P7.50mm
  rrect 2.4x2.4 hole 1.2: 1(0,0)
  round 2.4 hole 1.2: 2(7.5,0)
CP_Radial_D16.0mm_P7.50mm
  rrect 2.4x2.4 hole 1.2: 1(0,0)
  round 2.4 hole 1.2: 2(7.5,0)
CP_Radial_Tantal_D4.5mm_P5.00mm
  rrect 1.6x1.6 hole 0.8: 1(0,0)
  round 1.6 hole 0.8: 2(5,0)
D_5W_P10.16mm_Horizontal
  rrect 2x2 hole 1.2: 1(0,0)
  round 2 hole 1.2: 2(10.16,0)
D_5W_P10.16mm_Horizontal#2
  rrect 2.8x2.8 hole 1.4: 1(0,0)
  round 2.8 hole 1.4: 2(10.16,0)
D_DO-15_P10.16mm_Horizontal
  rrect 2.4x2.4 hole 1.2: 1(0,0)
  round 2.4 hole 1.2: 2(10.16,0)
D_DO-15_P12.70mm_Horizontal
  rrect 2.4x2.4 hole 1.2: 1(0,0)
  round 2.4 hole 1.2: 2(12.7,0)
D_DO-15_P15.24mm_Horizontal
  rrect 2.4x2.4 hole 1.2: 1(0,0)
  round 2.4 hole 1.2: 2(15.24,0)
D_DO-34_SOD68_P10.16mm_Horizontal
  rrect 1.5x1.5 hole 0.75: 1(0,0)
  round 1.5 hole 0.75: 2(10.16,0)
D_DO-34_SOD68_P12.70mm_Horizontal
  rrect 1.5x1.5 hole 0.75: 1(0,0)
  round 1.5 hole 0.75: 2(12.7,0)
DIP-16_W7.62mm_LongPads
  rrect 2.4x1.6 hole 0.8: 1(0,0)
  oval 2.4x1.6 hole 0.8: 2(0,-2.54) 3(0,-5.08) 4(0,-7.62) 5(0,-10.16) 6(0,-12.7) 7(0,-15.24) 8(0,-17.78) 9(7.62,-17.78) 10(7.62,-15.24) 11(7.62,-12.7) 12(7.62,-10.16) 13(7.62,-7.62) 14(7.62,-5.08) 15(7.62,-2.54) 16(7.62,0)
DIP-42_W15.24mm_LongPads
  rrect 2.4x1.6 hole 0.8: 1(0,0)
  oval 2.4x1.6 hole 0.8: 2(0,-2.54) 3(0,-5.08) 4(0,-7.62) 5(0,-10.16) 6(0,-12.7) 7(0,-15.24) 8(0,-17.78) 9(0,-20.32) 10(0,-22.86) 11(0,-25.4) 12(0,-27.94) 13(0,-30.48) 14(0,-33.02) 15(0,-35.56) 16(0,-38.1) 17(0,-40.64) 18(0,-43.18) 19(0,-45.72) 20(0,-48.26) 21(0,-50.8) 22(15.24,-50.8) 23(15.24,-48.26) 24(15.24,-45.72) 25(15.24,-43.18) 26(15.24,-40.64) 27(15.24,-38.1) 28(15.24,-35.56) 29(15.24,-33.02) 30(15.24,-30.48) 31(15.24,-27.94) 32(15.24,-25.4) 33(15.24,-22.86) 34(15.24,-20.32) 35(15.24,-17.78) 36(15.24,-15.24) 37(15.24,-12.7) 38(15.24,-10.16) 39(15.24,-7.62) 40(15.24,-5.08) 41(15.24,-2.54) 42(15.24,0)
Fuseholder_Clip-6.3x32mm_Littelfuse_102071_Inline_P34.70x7.60mm_D2.00mm_Horizontal
  rrect 3x3 hole 2: 1(0,0) 1(7.6,0)
  round 3 hole 2: 2(27.1,0) 2(34.7,0)
JST_XH_B4B-XH-AM_1x04_P2.50mm_Vertical
  rrect 1.7x1.95 hole 0.95: 1(0,0)
  oval 1.7x1.95 hole 0.95: 2(2.5,0) 3(5,0) 4(7.5,0)
L_Axial_L11.0mm_D4.5mm_P15.24mm_Horizontal_Fastron_MECC
  round 2 hole 1: 1(0,0) 2(15.24,0)
L_Radial_D12.0mm_P6.00mm_Murata_1900R
  round 3.2 hole 1.6: 1(0,0) 2(6,0)
L_Radial_D12.5mm_P7.00mm_Fastron_09HCP
  round 2.4 hole 1.2: 1(0,0) 2(7,0)
Laird_Technologies_BMI-S-103_26.21x26.21mm
  rect 1x1 smd: 1(-13.005,-13.005) 1(13.005,13.005) 1(13.005,-13.005)
  rect 25.005x1 smd: 1(-0.003,-13.005)
  rect 0.99x24.995 smd: 1(13,0.007)
Laird_Technologies_BMI-S-103_26.21x26.21mm#2
  rect 0.501x0.5 smd: 1(-13.249,12.75)
  rect 0.499x25.006 smd: 1(-13.249,-0.002)
  rect 26.005x0.495 smd: 1(0,12.752)
